# Altium PCB 小车PCB升级1.PcbDoc (part 3 of 4)
Units mm, origin at the board's own origin, x right, y up, seen from the top; angles counter-clockwise.
Board outline 300 x 206 mm, 2 copper layers (Top Layer, Bottom Layer); 354 components, 360 nets, 1479 pads, 401 vias.
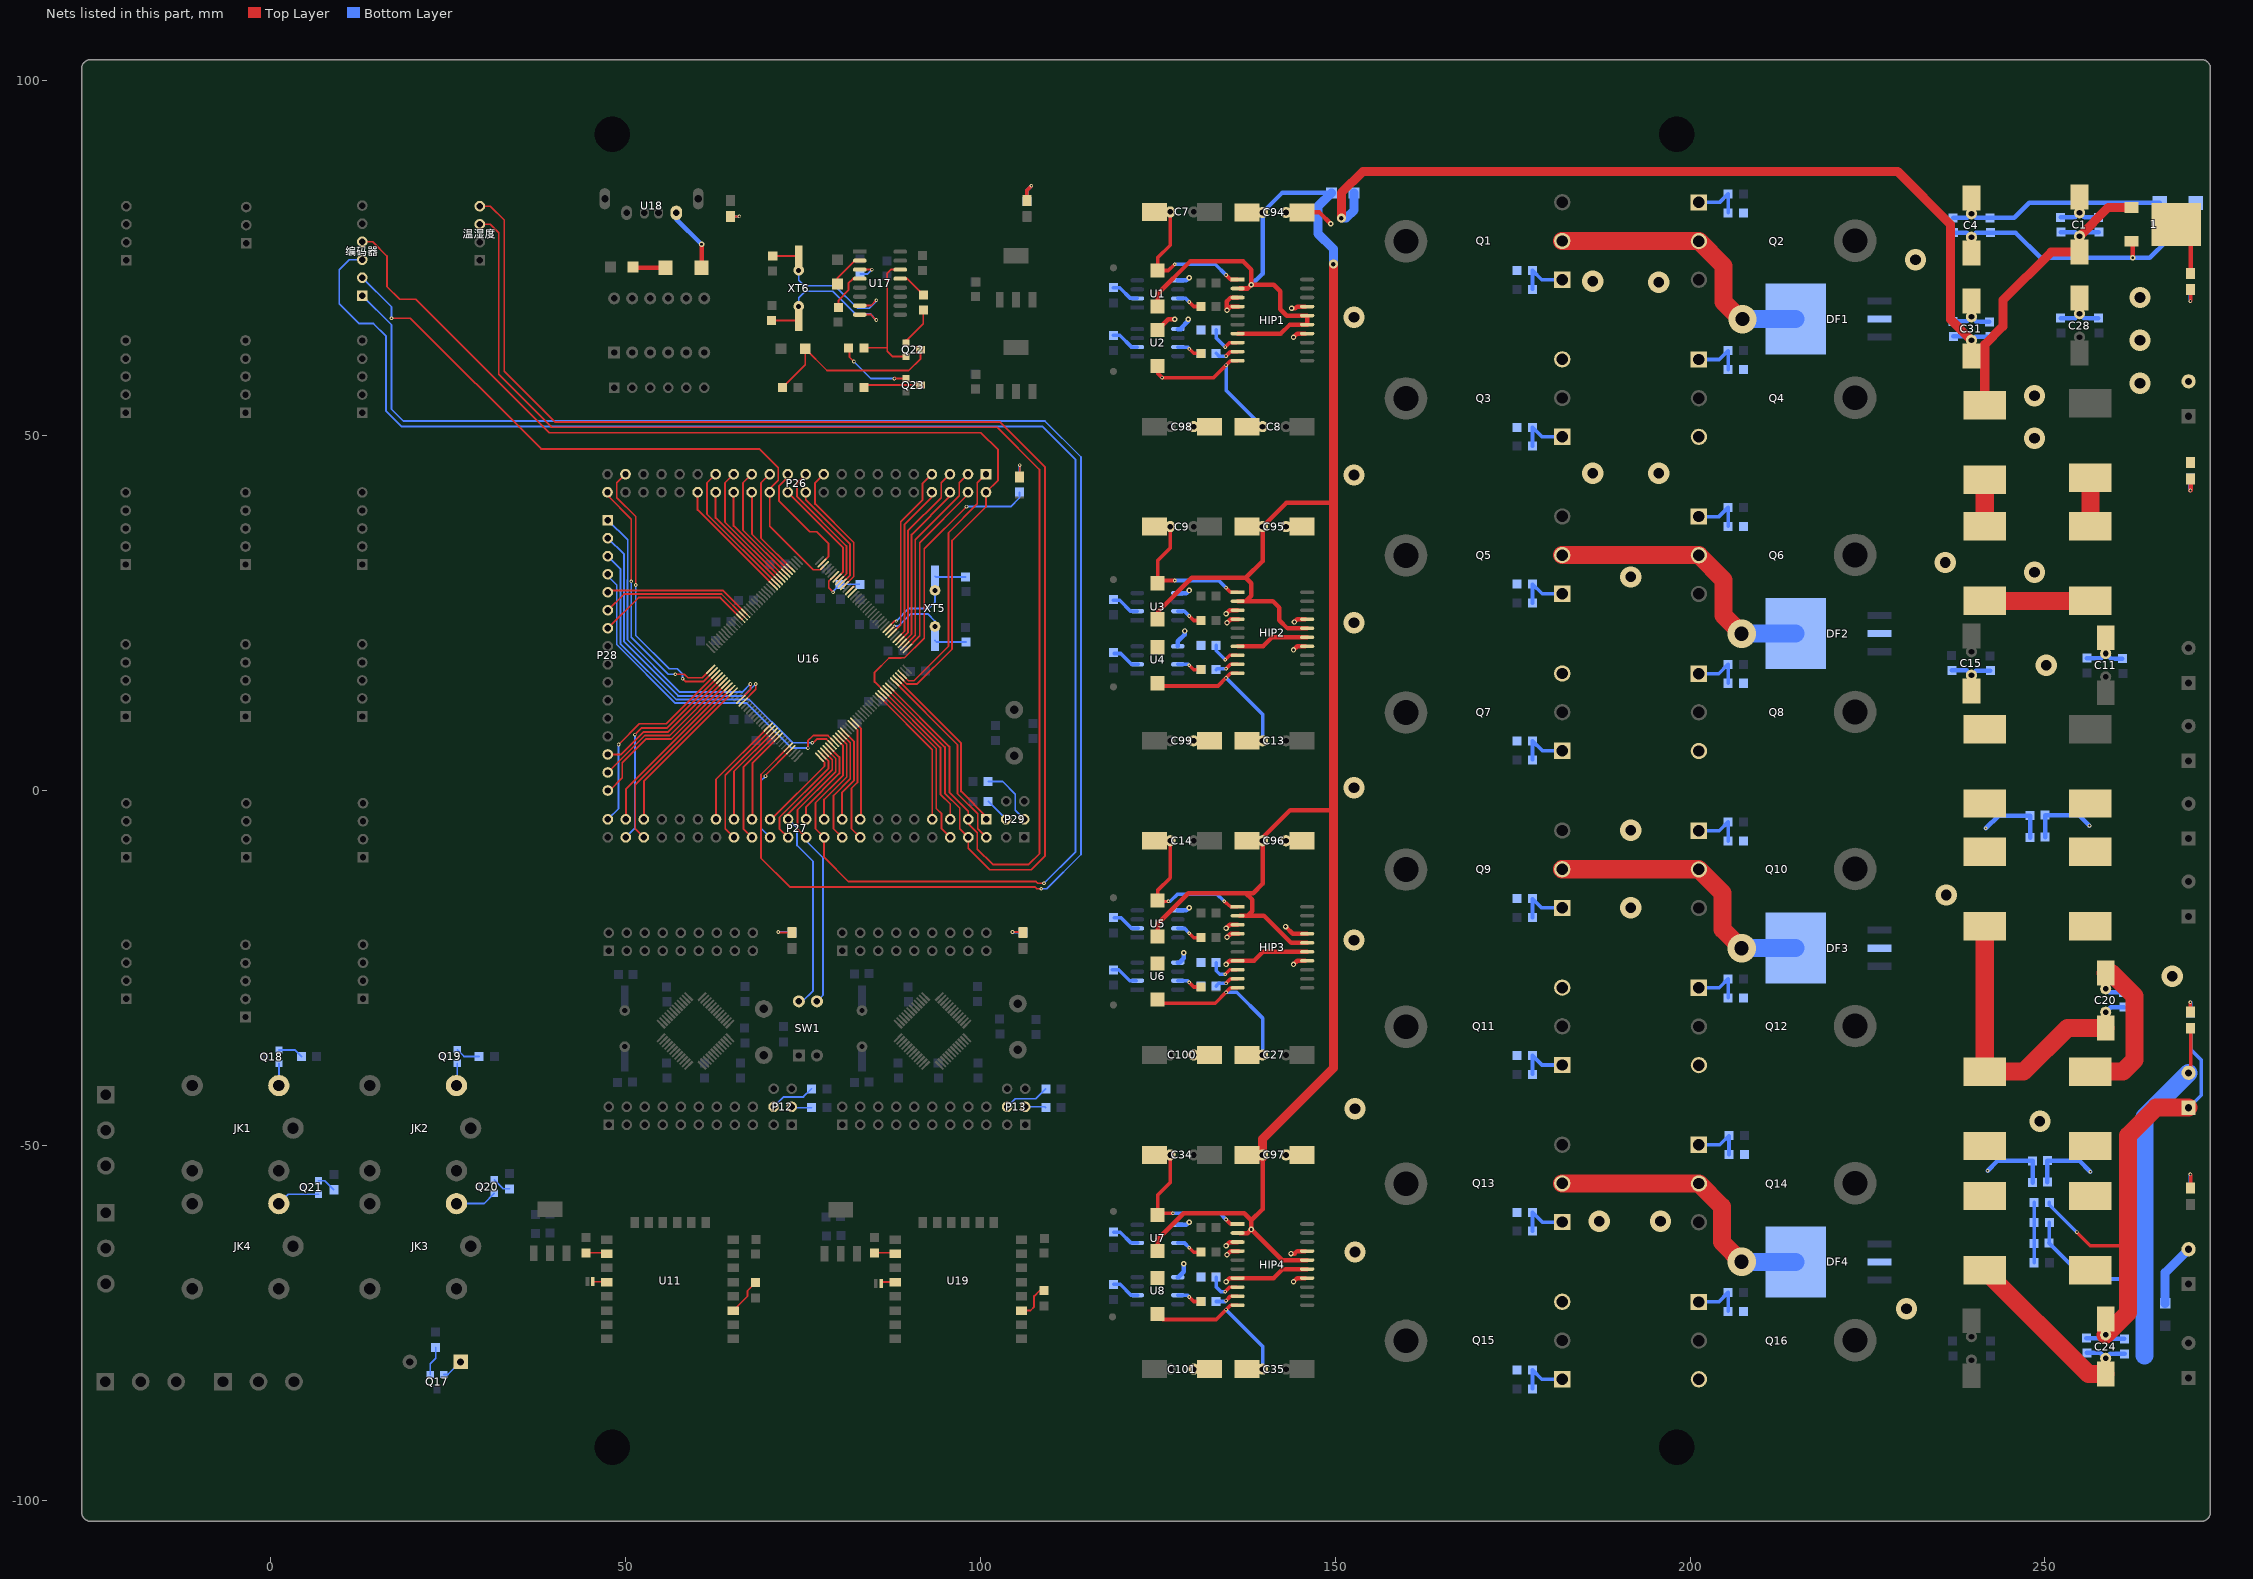
[diagram p3: the nets of this part, all layers, seen from the top]

## Via types
v1: diameter 0.508, hole 0.254, Top Layer to Bottom Layer, 231 vias
v2: diameter 0.762, hole 0.381, Top Layer to Bottom Layer, 119 vias
v3: diameter 3, hole 1.5, Top Layer to Bottom Layer, 29 vias
v4: diameter 6, hole 6, Top Layer to Bottom Layer, 8 vias
v5: diameter 4, hole 2, Top Layer to Bottom Layer, 8 vias
v6: diameter 1.27, hole 0.635, Top Layer to Bottom Layer, 2 vias
v7: diameter 0.381, hole 0.203, Top Layer to Bottom Layer, 1 vias
v8: diameter 2, hole 1, Top Layer to Bottom Layer, 1 vias
v9: diameter 0.762/0.635 (per signal layer), hole 0.381, Top Layer to Bottom Layer, 1 vias
v10: diameter 0.406, hole 0.203, Top Layer to Bottom Layer, 1 vias

## Nets (pads, with @x,y where several pads share a name; then routed paths per layer and width w, separated by ;. In a path a pad name is that pad's centre, name@x,y a point inside that pad or via, vN(x,y) a via of type N, cw(c..) or ccw(c..) an arc to the next point about the centre after c; other vN are vias at no path point) (continued)
F12V: C94.1 C95.1 C96.1 C97.1 D1.1 D3.1 D4.1 D5.1 D6.1 D7.1 D8.1 D9.1 FU2.1 HIP1.2 HIP1.7 HIP1.15 HIP1.16 HIP2.2 HIP2.7 HIP2.15 HIP2.16 HIP3.2 HIP3.7 HIP3.15 HIP3.16 HIP4.2 HIP4.7 HIP4.15 HIP4.16 | length 387.9
  Top Layer w0.635: D8.1@124.968,-64.897 124.968,-63.246 128.651,-59.563 137.16,-59.563 138.176,-60.579 ; D6.1@124.968,-20.574 124.968,-18.796 129.286,-14.478 137.414,-14.478 ; D4.1@124.968,24.13 124.968,25.146 129.794,29.972 137.414,29.972 ; D3.1@124.968,64.897 126.492,66.421 v2(127.381,66.421) ; D1.1@124.968,68.199 124.968,69.977 129.54,74.549 137.033,74.549 138.176,73.406 v2(138.176,71.247) ; v2(134.62,-69.215) 135.128,-68.707 HIP4.7@136.25,-68.707 141.351,-68.707 142.621,-67.437 HIP4.15@146.05,-67.437 ; v2(134.62,-24.511) 135.128,-24.003 HIP3.7@136.25,-24.003 138.557,-24.003 139.827,-22.733 HIP3.15@146.05,-22.733 ; HIP2.7@136.25,20.318 139.825,20.318 141.095,21.588 HIP2.15@146.05,21.588 ; HIP2.2@136.25,26.668 137.414,26.668 ; HIP1.7@136.25,64.389 142.346,64.389 143.616,65.659 HIP1.15@146.05,65.659 HIP1.16@146.05,66.929 146.025,66.904 143.154,66.904 142.24,67.818 142.24,70.358 141.351,71.247 v2(138.176,71.247) ; HIP4.2@136.546,-62.357 137.668,-62.357 v2(138.176,-61.849) ; HIP3.2@136.546,-17.653 137.668,-17.653 ; HIP1.2@136.546,70.739 137.668,70.739 v2(138.176,71.247) ; C97.1@139.763,-51.689 139.763,-58.992 138.176,-60.579 ; HIP4.16@146.05,-66.167 146.05,-66.192 142.519,-66.192 v2(138.176,-61.849) ; HIP3.16@146.05,-21.463 146.05,-21.488 143.798,-21.488 139.962,-17.653 137.668,-17.653 ; HIP2.16@146.05,22.858 146.05,22.832 143.284,22.832 142.113,24.003 142.113,25.781 141.226,26.668 137.414,26.668 ; 149.733,-2.413 149.352,-2.794 143.637,-2.794 139.763,-6.668 C96.1@139.763,-7.084 139.763,-13.145 138.43,-14.478 137.414,-14.478 ; 149.733,40.64 149.606,40.513 143.091,40.513 C95.1@139.763,37.185 139.763,32.321 137.414,29.972 ; 137.414,-14.478 138.303,-15.367 138.303,-17.018 137.668,-17.653 ; 137.414,26.668 138.176,27.43 138.176,29.21 137.414,29.972 ; v2(138.176,-61.849) 138.176,-60.579
  Top Layer w1.27: C97.1@139.763,-51.689 C97.1@139.763,-51.353 139.763,-49.086 149.733,-39.116 149.733,-2.413 149.733,40.64 v6(149.733,74.168)
  Bottom Layer w0.635: v2(138.176,71.247) 139.763,72.834 C94.1@139.763,81.453 142.511,84.201 FU2.1@149.479,84.201
  Bottom Layer w1.27: FU2.1@149.479,84.201 147.574,82.296 147.574,78.486 149.733,76.327 v6(149.733,74.168)
GND: 1.2 +12V.2 C1.1 C2.1 C3.1 C10.1 C11.1 C12.1 C15.1 C16.1 C17.1 C28.1 C29.1 C30.1 C31.1 C32.1 C33.1 C94.2 C95.2 C96.2 C97.2 C98.2 C99.2 C100.2 C101.2 D2.2 H1.2 HIP1.3 HIP1.4 HIP1.14 HIP1.17 HIP2.3 HIP2.4 HIP2.14 HIP2.17 HIP3.3 HIP3.4 HIP3.14 HIP3.17 HIP4.3 HIP4.4 HIP4.14 HIP4.17 L5.1 LED2.2 Q3.3 Q4.3 Q7.3 Q8.3 Q11.3 Q12.3 Q15.3 Q16.3 R6.1 R7.1 R8.2 R9.2 R10.2 R13.2 R26.1 R27.1 R28.2 R29.2 R30.2 R33.2 R42.1 R43.1 R44.2 R45.2 R46.2 R49.2 R58.1 R59.1 R60.2 R61.2 R62.2 R65.2 U1.5 U2.5 U3.5 U4.5 U5.5 U6.5 U7.5 U8.5 | length 89.8
  Top Layer w0.635: v2(134.62,-64.135) 135.128,-63.627 HIP4.3@136.25,-63.627 ; v2(134.62,-19.431) 135.128,-18.923 HIP3.3@136.25,-18.923 ; v2(134.62,24.89) 135.128,25.398 HIP2.3@136.25,25.398 ; v2(134.747,-65.405) 135.255,-64.897 HIP4.4@136.25,-64.897 HIP4.4@136.377,-64.897 ; v2(134.747,-20.701) 135.255,-20.193 HIP3.4@136.25,-20.193 HIP3.4@136.377,-20.193 ; v2(134.747,23.62) 135.255,24.128 HIP2.4@136.25,24.128 HIP2.4@136.377,24.128 ; HIP1.3@136.25,69.469 135.255,69.469 134.747,68.961 v2(134.747,67.691) 135.255,68.199 HIP1.4@136.25,68.199 HIP1.4@136.377,68.199 ; v2(143.002,-19.177) 144.018,-20.193 HIP3.17@146.05,-20.193 ; v2(143.765,-65.256) 144.273,-65.256 144.632,-64.897 HIP4.17@145.754,-64.897 ; v2(143.849,67.966) 144.399,67.966 144.632,68.199 HIP1.17@145.754,68.199 ; v2(144.124,-69.215) 144.632,-68.707 HIP4.14@145.754,-68.707 ; v2(144.124,-24.511) 144.632,-24.003 HIP3.14@145.754,-24.003 ; v2(144.124,19.81) 144.632,20.318 HIP2.14@145.754,20.318 ; v2(144.124,63.881) 144.632,64.389 HIP1.14@145.754,64.389 ; v2(144.253,23.749) 144.632,24.128 HIP2.17@145.754,24.128 ; C94.2@145.3,81.453 147.782,81.453 v2(149.352,79.883) ; 1.2@268.518,79.756 270.535,77.739 LED2.2@270.535,72.873
  Bottom Layer w0.635: U8.5@127.825,-68.58 127.889,-68.58 128.651,-67.818 v2(128.651,-66.675) ; U7.5@127.825,-61.214 129.032,-61.214 v2(129.413,-60.833) ; U6.5@127.825,-24.257 128.016,-24.257 128.651,-23.622 v2(128.651,-22.86) ; U5.5@127.825,-16.891 129.032,-16.891 v2(129.413,-16.51) ; U4.5@127.825,20.32 127.825,21.018 128.778,21.971 v2(128.778,22.479) ; U3.5@127.825,27.813 129.032,27.813 v2(129.413,28.194) ; U2.5@127.825,65.024 128.27,65.024 128.27,65.159 129.286,66.175 v2(129.286,66.421) ; U1.5@127.825,71.882 129.032,71.882 v2(129.413,72.263) ; C16.1@236.906,16.942 238.959,16.942 C15.1@239.649,16.252 240.288,16.891 C17.1@242.316,16.891 ; C33.1@237.058,66.091 238.989,66.091 C31.1@239.649,66.751 240.36,66.04 C32.1@242.189,66.04 ; C30.1@252.222,66.548 254.25,66.548 C28.1@254.889,67.187 255.528,66.548 C29.1@257.556,66.548 ; C2.1@252.222,80.772 254.254,80.772 C1.1@254.889,81.407 255.524,80.772 C3.1@257.556,80.772 ; C12.1@255.905,18.669 257.933,18.669 C11.1@258.572,19.308 259.287,18.593 C10.1@260.934,18.593
  other v3: 230.505,-73.025 152.781,-65.024 187.198,-60.706 195.834,-60.706 249.301,-46.609 152.781,-44.831 267.97,-26.162 152.654,-21.082 191.643,-16.51 236.093,-14.732 191.643,-5.588 152.654,0.381 250.19,17.653 152.654,23.622 191.643,30.099 248.539,30.734 235.966,32.131 152.654,44.45 186.309,44.704 195.58,44.704 248.539,49.657 248.539,55.626 263.398,57.404 263.398,63.436 152.654,66.675 263.398,69.469 195.58,71.628 186.309,71.755 231.775,74.803
HTUCL: P27.4 U16.136 温湿度.4 | length 202.4
  Top Layer w0.254: 温湿度.4@29.464,82.341 30.943,82.341 32.893,80.391 32.893,59.055 40.005,51.943 102.743,51.943 109.093,45.593 109.093,-9.271 107.188,-11.176 101.346,-11.176 98.298,-8.128 P27.4@98.298,-6.604 97.078,-5.384 97.078,-2.463 94.996,-0.381 94.996,6.11 U16.136@86.872,14.234 U16.136@86.693,14.413
HTUDA: P27.3 U16.137 温湿度.3 | length 197.5
  Top Layer w0.254: 温湿度.3@29.464,79.801 30.943,79.801 32.131,78.613 32.131,58.674 39.624,51.181 102.362,51.181 108.331,45.212 108.331,-8.89 106.807,-10.414 101.727,-10.414 99.568,-8.255 99.568,-5.969 98.298,-4.699 P27.3@98.298,-4.064 98.298,-2.921 95.631,-0.254 95.631,6.182 U16.137@87.226,14.587 U16.137@87.046,14.767
IC12V: 1.1 C1.2 C2.2 C3.2 C31.2 C32.2 C33.2 FU2.2 L11.2 | length 165.8
  Top Layer w1.27: v6(150.876,80.645) 150.876,84.201 153.924,87.249 229.235,87.249 236.728,79.756 236.728,66.37 C31.2@239.649,63.449 ; L11.2@241.529,54.291 241.529,62.84 244.094,65.405 244.094,69.088 250.876,75.87 C1.2@254.889,75.87 ; C1.2@254.889,78.105 258.947,82.163 1.1@262.204,82.163
  Bottom Layer w0.635: C33.2@237.109,64.008 239.09,64.008 C31.2@239.649,63.449 240.157,63.957 C32.2@242.24,63.957 ; C2.2@252.273,78.689 254.305,78.689 C1.2@254.889,78.105 255.473,78.689 C3.2@257.607,78.689
  Bottom Layer w1.27: v6(150.876,80.645) 151.511,80.645 152.654,81.788 FU2.2@152.654,84.201
MCU: C24.1 C25.1 C26.1 C46.1 H2.2 K12V.2 L8.2 R73.1 | length 96.3
  Top Layer w0.508: H2.2@270.256,-39.784 270.535,-39.505 K12V.2@270.535,-33.503
  Top Layer w2.54: L8.2@241.529,-67.626 256.127,-82.224 C24.1@258.572,-82.224
  Bottom Layer w0.508: R73.1@250.638,-60.875 250.638,-63.687 C46.1@250.571,-63.754 255.651,-68.834 264.033,-68.834
  Bottom Layer w0.635: C25.1@255.905,-79.248 257.806,-79.248 C24.1@258.572,-80.014 259.211,-79.375 C26.1@261.239,-79.375
  Bottom Layer w2.54: 264.033,-79.629 264.033,-68.834 264.033,-46.007 H2.2@270.256,-39.784
MCU12V: C24.2 C25.2 C26.2 H2.1 L4.2 R16.2 R71.2 | length 71.7
  Top Layer w0.508: v1(254.508,-62.23) 256.413,-64.135 261.62,-64.135 261.747,-64.262
  Top Layer w2.54: C24.2@258.572,-76.712 261.747,-73.537 261.747,-64.262 261.747,-48.641 265.684,-44.704 H2.1@270.256,-44.704
  Bottom Layer w0.508: R71.2@250.638,-58.039 250.638,-58.36 v1(254.508,-62.23) ; H2.1@270.256,-44.704 272.034,-42.926 272.034,-37.973 270.535,-36.474 R16.2@270.535,-33.528
  Bottom Layer w0.635: C25.2@255.854,-77.165 258.119,-77.165 C24.2@258.572,-76.712 259.152,-77.292 C26.2@261.188,-77.292
Net1_3: 1.3 C4.1 C5.2 C6.2 FU1.1 | length 37.8
  Top Layer w0.635: 1.3@262.209,77.419 262.382,77.246 v2(262.382,75.057)
  Bottom Layer w0.635: C5.2@237.109,78.613 239.01,78.613 C4.1@239.649,77.974 240.288,78.613 C6.2@242.316,78.613 245.872,78.613 249.428,75.057 v2(262.382,75.057) 264.795,75.057 267.208,77.47 FU1.1@267.208,79.756
Net2_2: U16.24 | length 1.1
  Top Layer w0.254: U16.24@81.389,27.99 82.169,28.769 U16.24@82.162,28.777
NetBEEP1_1: BEEP1.1 Q17.2 | length 3.1
  Bottom Layer w0.254: Q17.2@24.384,-82.296 24.968,-82.296 BEEP1.1@26.746,-80.518
NetC4_2: C4.2 C5.1 C6.1 D2.1 | length 30.5
  Bottom Layer w0.635: C5.1@237.058,80.696 239.069,80.696 C4.2@239.649,81.276 240.229,80.696 C6.1@242.265,80.696 245.669,80.696 247.777,82.804 D2.1@266.192,82.804
NetC7_1: C7.1 D1.2 HIP1.1 | length 21.5
  Top Layer w0.508: C7.1@126.746,81.534 126.746,76.835 124.968,75.057 D1.2@124.968,73.279 126.492,73.279 v1(127.381,74.168) ; v1(134.62,72.644) 135.255,72.009 HIP1.1@136.25,72.009
  Bottom Layer w0.508: v1(127.381,74.168) 133.096,74.168 v1(134.62,72.644)
NetC8_1: C8.1 D3.2 HIP1.10 | length 24.3
  Top Layer w0.508: D3.2@124.968,59.817 124.968,58.822 v1(125.603,58.187) 132.863,58.187 v1(134.62,59.944) 135.255,60.579 HIP1.10@136.25,60.579
  Bottom Layer w0.508: v1(134.62,59.944) 134.62,56.415 C8.1@139.763,51.272
NetC9_1: C9.1 D4.2 HIP2.1 | length 20.8
  Top Layer w0.508: C9.1@126.746,37.185 126.746,34.163 124.968,32.385 D4.2@124.968,29.21 125.349,29.591 v1(127.381,29.591) ; v1(134.62,28.573) 135.255,27.938 HIP2.1@136.25,27.938
  Bottom Layer w0.508: v1(127.381,29.591) 133.602,29.591 v1(134.62,28.573)
NetC13_1: C13.1 D5.2 HIP2.10 | length 23.2
  Top Layer w0.508: D5.2@124.968,15.113 125.349,14.732 133.477,14.732 134.618,15.873 v1(134.62,15.873) 135.255,16.508 HIP2.10@136.25,16.508
  Bottom Layer w0.508: v1(134.62,15.873) 139.763,10.73 C13.1@139.763,7.003
NetC14_1: C14.1 D6.2 HIP3.1 | length 21.7
  Top Layer w0.508: v1(126.492,-15.621) 125.222,-15.748 D6.2@124.968,-15.494 124.968,-14.097 126.746,-12.319 C14.1@126.746,-7.084 ; v1(134.366,-15.621) 135.255,-16.383 HIP3.1@136.25,-16.383
  Bottom Layer w0.508: v1(126.492,-15.621) 126.746,-15.621 127.762,-14.605 133.35,-14.605 v1(134.366,-15.621)
NetC18_1: C18.1 C19.1 L5.2 L6.1 | length 10.1
  Bottom Layer w0.635: v1(241.681,-5.334) 243.479,-3.536 C18.1@247.939,-3.536 C19.1@247.939,-6.635
NetC18_2: C18.2 C19.2 L1.2 L2.1 | length 10
  Bottom Layer w0.635: C19.2@250.021,-6.584 C18.2@250.021,-3.485 254.818,-3.485 v1(256.286,-4.953)
NetC20_1: C20.1 C21.1 L6.2 L7.1 | length 43
  Top Layer w2.54: L6.2@241.529,-19.112 241.529,-39.618 247.021,-39.618 253.187,-33.452 C20.1@258.572,-33.452
  Bottom Layer w0.635: C20.1@258.572,-31.242 259.283,-30.531 C21.1@261.163,-30.531
NetC20_2: C20.2 C21.2 L2.2 L3.1 | length 24.1
  Top Layer w2.54: L3.1@256.419,-39.624 260.985,-39.624 262.636,-37.973 262.636,-28.956 259.385,-25.705 C20.2@258.572,-25.705
  Bottom Layer w0.635: C20.2@258.572,-27.94 259.08,-28.448 C21.2@261.112,-28.448
NetC22_1: C22.1 C23.1 L7.2 L8.1 | length 10
  Bottom Layer w0.635: v1(241.935,-53.594) 243.332,-52.197 C23.1@248.285,-52.197 C22.1@248.285,-55.245
NetC22_2: C22.2 C23.2 L3.2 L4.1 | length 9.7
  Bottom Layer w0.635: C22.2@250.368,-55.194 C23.2@250.368,-52.146 254.838,-52.146 v1(256.413,-53.721)
NetC27_1: C27.1 D7.2 HIP3.10 | length 24.2
  Top Layer w0.508: D7.2@124.968,-29.464 125.476,-29.972 133.096,-29.972 v1(134.62,-28.448) 135.255,-27.813 HIP3.10@136.25,-27.813
  Bottom Layer w0.508: v1(134.62,-28.448) 136.144,-28.448 139.763,-32.067 C27.1@139.763,-37.265
NetC34_1: C34.1 D8.2 HIP4.1 | length 21.2
  Top Layer w0.508: C34.1@126.746,-51.353 126.746,-55.245 124.968,-57.023 D8.2@124.968,-59.817 125.222,-59.563 v1(127.127,-59.563) ; v1(134.62,-60.452) 135.255,-61.087 HIP4.1@136.25,-61.087
  Bottom Layer w0.508: v1(127.127,-59.563) 133.731,-59.563 v1(134.62,-60.452)
NetC35_1: C35.1 D9.2 HIP4.10 | length 23
  Top Layer w0.508: D9.2@124.968,-73.787 125.73,-74.549 133.223,-74.549 v1(134.62,-73.152) 135.255,-72.517 HIP4.10@136.25,-72.517
  Bottom Layer w0.508: v1(134.62,-73.152) 139.763,-78.295 C35.1@139.763,-81.534
NetC46_2: C46.2 R71.1 R72.1 R73.2 | length 8.5
  Bottom Layer w0.508: R72.1@248.479,-66.548 R73.2@248.479,-60.875 R71.1@248.479,-58.039
NetC71_1: C71.1 U17.4 | length 5.9
  Top Layer w0.254: C71.1@80.01,68.072 80.01,69.088 81.407,70.485 81.407,71.488 82.055,72.136 U17.4@82.995,72.136
NetC75_2: C75.2 U17.7 XT6.1 | length 20.9
  Top Layer w0.254: C75.2@70.739,75.311 XT6.1@74.371,75.311 ; U17.7@82.995,68.326 84.582,68.326 v1(85.344,69.088)
  Top Layer w0.508: XT6.1@74.371,75.311 XT6.1@74.397,75.286
  Bottom Layer w0.254: XT6.1@74.397,73.304 74.397,71.907 75.184,71.12 79.502,71.12 82.677,67.945 84.328,67.945 85.344,68.961 v1(85.344,69.088)
NetC76_2: C76.2 U17.8 XT6.2 | length 20.7
  Top Layer w0.254: C76.2@70.561,66.243 XT6.2@74.371,66.243 ; U17.8@82.995,67.056 84.582,67.056 v1(85.344,66.294)
  Top Layer w0.508: XT6.2@74.371,66.243 XT6.2@74.397,66.218
  Bottom Layer w0.254: XT6.2@74.397,68.224 74.397,69.444 75.311,70.358 79.186,70.358 82.361,67.183 84.455,67.183 v1(85.344,66.294)
NetC77_2: U16.23
NetC78_1: C78.1 C79.1 U16.30 | length 7.2
  Top Layer w0.203: v1(79.248,27.94) 78.613,28.575 78.613,29.456 U16.30@79.448,30.291
  Bottom Layer w0.203: v1(79.248,27.94) 79.248,28.05 C78.1@80.23,29.032 C79.1@83.016,29.032
NetD10_2: D10.2 U17.2 | length 5
  Top Layer w0.254: D10.2@79.883,71.374 79.883,72.263 82.296,74.676 U17.2@82.995,74.676
NetD11_2: D11.2 Q22.1 R92.1 | length 26.2
  Top Layer w0.254: R92.1@72.136,56.821 75.311,59.996 D11.2@75.311,62.255 78.384,59.182 89.916,59.182 91.567,60.833 Q22.1@91.567,62.103
NetD12_1: D12.1 U18.1 | length 9.2
  Top Layer w0.635: D12.1@60.706,73.66 v2(60.706,76.962)
  Bottom Layer w0.635: U18.1@57.15,81.407 57.15,80.518 v2(60.706,76.962)
NetD12_2: D12.2 FU4.2 | length 4.6
  Top Layer w0.635: FU4.2@51.054,73.768 51.162,73.66 D12.2@55.626,73.66
NetDF1_2: DF1.2 Q1.2 Q2.2 | length 39.7
  Top Layer w2.54: Q1.2@181.991,77.44 201.223,77.44 Q2.2@201.244,77.419 204.724,73.939 204.724,68.834 207.137,66.421 v5(207.391,66.421)
  Bottom Layer w2.54: v5@208.153,66.421 DF1.2@214.884,66.421
NetDF2_1: 
NetDF2_2: DF2.2 Q5.2 Q6.2 | length 39.8
  Top Layer w2.54: Q5.2@181.991,33.171 201.223,33.171 Q6.2@201.244,33.151 204.724,29.671 204.724,24.638 v5(207.264,22.098)
  Bottom Layer w2.54: v5@207.899,22.098 DF2.2@214.884,22.098
NetDF3_2: DF3.2 Q9.2 Q10.2 | length 39.3
  Top Layer w2.54: Q9.2@181.991,-11.097 201.223,-11.097 Q10.2@201.244,-11.118 204.597,-14.471 204.597,-19.558 v5(207.264,-22.225)
  Bottom Layer w2.54: v5@208.407,-22.225 DF3.2@214.884,-22.225
NetDF4_2: DF4.2 Q13.2 Q14.2 | length 40.4
  Top Layer w2.54: Q13.2@181.991,-55.366 201.223,-55.366 Q14.2@201.244,-55.387 204.47,-58.612 204.47,-63.627 v5(207.264,-66.421)
  Bottom Layer w2.54: v5(207.264,-66.421) DF4.2@214.884,-66.421
NetFU3_1: FU3.1 H9.2 | length 9
  Bottom Layer w1.27: FU3.1@266.954,-72.263 266.954,-67.945 H9.2@270.256,-64.643
NetH7_2: H7.2 U11.18 | length 1.8
  Top Layer w0.254: H7.2@45.593,-69.215 U11.18@47.307,-69.215
  Top Layer w0.635: U11.18@47.307,-69.215 U11.18@47.371,-69.279
NetH11_2: H11.2 U19.18 | length 2
  Top Layer w0.254: H11.2@86.031,-69.469 86.221,-69.279 U19.18@87.991,-69.279
NetHIP1_8: HIP1.8 R8.1 | length 4.8
  Top Layer w0.508: v1(134.493,62.484) 135.128,63.119 HIP1.8@136.123,63.119
  Bottom Layer w0.508: R8.1@133.223,64.897 133.223,63.754 v1(134.493,62.484)
NetHIP1_9: HIP1.9 R13.1 | length 3.4
  Top Layer w0.508: v1(134.62,61.214) 135.255,61.849 HIP1.9@136.25,61.849
  Bottom Layer w0.508: R13.1@133.223,61.595 133.604,61.214 v1(134.62,61.214)
NetHIP2_8: HIP2.8 R28.1 | length 4.5
  Top Layer w0.508: v1(134.493,18.413) 135.128,19.048 HIP2.8@136.123,19.048
  Bottom Layer w0.508: R28.1@133.223,20.447 133.223,19.683 v1(134.493,18.413)
NetHIP2_9: HIP2.9 R33.1 | length 3.3
  Top Layer w0.508: v1(134.62,17.143) 135.255,17.778 HIP2.9@136.25,17.778
  Bottom Layer w0.508: R33.1@133.223,17.018 133.348,17.143 v1(134.62,17.143)
NetHIP3_8: HIP3.8 R44.1 | length 4.5
  Top Layer w0.508: v1(134.493,-25.908) 135.128,-25.273 HIP3.8@136.123,-25.273
  Bottom Layer w0.508: R44.1@133.223,-24.257 133.223,-25.4 133.731,-25.908 v1(134.493,-25.908)
NetHIP3_9: HIP3.9 R49.1 | length 3.4
  Top Layer w0.508: v1(134.62,-27.178) 135.255,-26.543 HIP3.9@136.25,-26.543
  Bottom Layer w0.508: R49.1@133.223,-27.559 133.604,-27.178 v1(134.62,-27.178)
NetHIP4_8: HIP4.8 R60.1 | length 4.8
  Top Layer w0.508: v1(134.493,-70.612) 135.128,-69.977 HIP4.8@136.123,-69.977
  Bottom Layer w0.508: R60.1@133.223,-68.58 133.223,-69.977 133.858,-70.612 v1(134.493,-70.612)
NetHIP4_9: HIP4.9 R65.1 | length 3.3
  Top Layer w0.508: v1(134.62,-71.882) 135.255,-71.247 HIP4.9@136.25,-71.247
  Bottom Layer w0.508: R65.1@133.223,-72.009 134.493,-72.009 v1(134.62,-71.882)
NetJK1_2: JK1.2 Q18.2 | length 3.1
  Bottom Layer w0.254: JK1.2@1.143,-41.581 Q18.2@1.143,-38.481
NetJK2_2: JK2.2 Q19.2 | length 3.2
  Bottom Layer w0.254: JK2.2@26.17,-41.581 26.289,-41.462 Q19.2@26.289,-38.43
NetJK3_2: JK3.2 Q20.2 | length 5.9
  Bottom Layer w0.254: JK3.2@26.17,-58.218 30.047,-58.218 Q20.2@31.496,-56.769
NetJK4_2: JK4.2 Q21.2 | length 6.1
  Bottom Layer w0.254: JK4.2@1.143,-58.218 2.465,-56.896 Q21.2@6.731,-56.896
NetL9_2: L9.2 L10.1 | length 6.9
  Top Layer w2.54: L9.2@256.413,44.069 256.413,37.217 L10.1@256.419,37.211
NetL10_2: L10.2 L12.1 | length 14.9
  Top Layer w2.54: L12.1@241.523,26.735 L10.2@256.413,26.735
NetL11_1: L11.1 L12.2 | length 6.6
  Top Layer w2.54: L11.1@241.523,43.815 241.529,43.809 L12.2@241.529,37.211
NetLED1_1: +12V.1 R14.1 | length 3.4
  Top Layer w0.635: v1(270.51,42.291) 270.535,42.316 +12V.1@270.535,43.917
  Bottom Layer w0.635: v1(270.51,42.291) 270.51,44.018 R14.1@270.535,44.044
NetLED2_1: LED2.1 R15.1 | length 3.4
  Top Layer w0.508: v1(270.51,68.961) 270.535,68.986 LED2.1@270.535,70.587
  Bottom Layer w0.508: v1(270.51,68.961) 270.51,70.714 R15.1@270.535,70.739
NetLED3_1: K12V.1 R16.1 | length 2.9
  Top Layer w0.508: v1(270.51,-29.845) 270.51,-31.191 K12V.1@270.535,-31.217
  Bottom Layer w0.508: v1(270.51,-29.845) 270.535,-29.87 R16.1@270.535,-31.369
NetLED5_2: LED5.2 R69.1 | length 4
  Top Layer w0.254: v1(71.501,-19.939) 71.553,-19.991 LED5.2@73.481,-19.991
  Bottom Layer w0.254: v1(71.501,-19.939) 73.428,-19.939 R69.1@73.481,-19.991
NetLED6_2: LED6.2 R70.1 | length 3
  Top Layer w0.254: v1(104.521,-19.939) 105.962,-19.939 LED6.2@106.015,-19.991
  Bottom Layer w0.254: v1(104.521,-19.939) 104.573,-19.991 R70.1@106.015,-19.991
NetLED7_2: +3V.2 R83.2 | length 4.8
  Top Layer w0.508: +3V.2@106.553,83.16 106.553,84.582 v1(107.188,85.217)
  Bottom Layer w0.508: R83.2@106.553,83.033 106.553,84.582 v1(107.188,85.217)
NetLED8_2: K5V.2 R84.2 | length 3.9
  Top Layer w0.508: v1(270.51,-54.102) 270.535,-54.127 K5V.2@270.535,-56.032
  Bottom Layer w0.508: v1(270.51,-54.102) 270.51,-55.982 R84.2@270.535,-56.007
NetLED10_2: LED10.2 R90.1 | length 3.3
  Top Layer w0.254: LED10.2@105.507,44.196 105.537,44.226 v1(105.537,45.847)
  Bottom Layer w0.254: R90.1@105.507,44.196 105.507,45.817 v1(105.537,45.847)
NetLED11_1: LED11.1 R91.1 | length 2.5
  Top Layer w0.254: LED11.1@64.795,80.874 64.821,80.899 v1(66.04,80.899)
  Bottom Layer w0.254: R91.1@64.77,80.874 66.015,80.874 v1(66.04,80.899)
NetP12_3: P12.3 R76.1 | length 2.8
  Bottom Layer w0.254: P12.3@73.406,-44.577 73.533,-44.704 R76.1@76.2,-44.704
NetP12_4: P12.4 R77.2 | length 6.4
  Bottom Layer w0.254: P12.4@70.866,-44.577 72.263,-43.18 75.057,-43.18 R77.2@76.2,-42.037
NetP13_3: P13.3 R78.1 | length 3
  Bottom Layer w0.254: P13.3@106.299,-44.577 109.093,-44.577 R78.1@109.22,-44.704
NetP13_4: P13.4 R79.2 | length 6.5
  Bottom Layer w0.254: P13.4@103.759,-44.577 104.902,-43.434 107.823,-43.434 R79.2@109.22,-42.037
NetP29_3: P29.3 R102.1 | length 8.6
  Bottom Layer w0.254: R102.1@101.092,1.27 103.124,1.27 104.902,-0.508 104.902,-2.794 P29.3@106.172,-4.064
NetP29_4: P29.4 R103.2 | length 3.6
  Bottom Layer w0.254: R103.2@101.092,-1.524 P29.4@103.632,-4.064
NetQ1_1: Q1.1 R4.2 R6.2 | length 7.4
  Bottom Layer w0.508: R4.2@177.8,70.612 R6.2@177.8,73.279 179.089,71.99 Q1.1@181.991,71.99
NetQ2_1: Q2.1 R5.1 R7.2 | length 7.3
  Bottom Layer w0.508: Q2.1@201.244,82.869 204.154,82.869 R5.1@205.359,84.074 R7.2@205.359,81.407
NetQ3_1: Q3.1 R9.1 R11.1 | length 7.4
  Bottom Layer w0.508: R11.1@177.8,48.514 R9.1@177.8,51.181 179.125,49.856 Q3.1@181.991,49.856
NetQ4_1: Q4.1 R10.1 R12.1 | length 7.3
  Bottom Layer w0.508: Q4.1@201.244,60.735 204.118,60.735 R12.1@205.359,61.976 R10.1@205.359,59.309
NetQ5_1: Q5.1 R24.2 R26.2 | length 7.4
  Bottom Layer w0.508: R24.2@177.8,26.416 R26.2@177.8,29.083 179.162,27.721 Q5.1@181.991,27.721
NetQ6_1: Q6.1 R25.1 R27.2 | length 7.3
  Bottom Layer w0.508: Q6.1@201.244,38.601 204.082,38.601 R25.1@205.359,39.878 R27.2@205.359,37.211
NetQ7_1: Q7.1 R29.1 R31.1 | length 7.4
  Bottom Layer w0.508: R31.1@177.8,4.318 R29.1@177.8,6.985 179.198,5.587 Q7.1@181.991,5.587
NetQ8_1: Q8.1 R30.1 R32.1 | length 7.3
  Bottom Layer w0.508: Q8.1@201.244,16.466 204.045,16.466 R32.1@205.359,17.78 R30.1@205.359,15.113
NetQ9_1: Q9.1 R40.2 R42.2 | length 7.4
  Bottom Layer w0.508: R40.2@177.8,-17.907 R42.2@177.8,-15.24 179.107,-16.547 Q9.1@181.991,-16.547
NetQ10_1: Q10.1 R41.1 R43.2 | length 7.3
  Bottom Layer w0.508: Q10.1@201.244,-5.668 204.136,-5.668 R41.1@205.359,-4.445 R43.2@205.359,-7.112
NetQ11_1: Q11.1 R45.1 R47.1 | length 7.4
  Bottom Layer w0.508: R47.1@177.8,-40.005 R45.1@177.8,-37.338 179.143,-38.681 Q11.1@181.991,-38.681
NetQ12_1: Q12.1 R46.1 R48.1 | length 7.3
  Bottom Layer w0.508: Q12.1@201.244,-27.802 204.1,-27.802 R48.1@205.359,-26.543 R46.1@205.359,-29.21
NetQ13_1: Q13.1 R56.2 R58.2 | length 7.4
  Bottom Layer w0.508: R56.2@177.8,-62.103 R58.2@177.8,-59.436 179.18,-60.816 Q13.1@181.991,-60.816
NetQ14_1: Q14.1 R57.1 R59.2 | length 7.4
  Bottom Layer w0.508: Q14.1@201.244,-49.937 204.19,-49.937 R57.1@205.486,-48.641 R59.2@205.486,-51.308
NetQ15_1: Q15.1 R61.1 R63.1 | length 7.4
  Bottom Layer w0.508: R63.1@177.8,-84.328 R61.1@177.8,-81.661 179.089,-82.95 Q15.1@181.991,-82.95
NetQ16_1: Q16.1 R62.1 R64.1 | length 7.3
  Bottom Layer w0.508: Q16.1@201.244,-72.071 204.027,-72.071 R64.1@205.359,-70.739 R62.1@205.359,-73.406
NetQ17_3: Q17.3 R82.2 | length 4.1
  Bottom Layer w0.254: Q17.3@22.479,-82.296 22.479,-80.772 23.241,-80.01 R82.2@23.241,-78.486
NetQ18_3: Q18.3 R85.2 | length 3.5
  Bottom Layer w0.254: Q18.3@1.143,-36.576 3.429,-36.576 R85.2@4.318,-37.465
NetQ19_3: Q19.3 R86.2 | length 3.4
  Bottom Layer w0.254: Q19.3@26.289,-36.525 27.229,-37.465 R86.2@29.337,-37.465
NetQ20_3: Q20.3 R87.2 | length 2.7
  Bottom Layer w0.254: Q20.3@31.496,-54.864 32.766,-56.134 R87.2@33.655,-56.134
NetQ21_3: Q21.3 R88.2 | length 2.7
  Bottom Layer w0.254: Q21.3@6.731,-54.991 7.62,-54.991 R88.2@8.89,-56.261
NetQ22_2: Q22.2 R95.2 U17.14 | length 19.3
  Top Layer w0.254: R95.2@83.566,62.382 86.843,62.382 ; U17.14@88.71,73.406 87.376,73.406 86.868,72.898 86.868,61.9 87.63,61.138 Q22.2@89.535,61.138
NetQ22_3: Q22.3 R94.2 | length 5.6
  Top Layer w0.254: Q22.3@89.535,63.373 91.948,65.786 R94.2@91.948,67.691
  Top Layer w0.508: Q22.3@89.535,63.043 Q22.3@89.535,63.373
NetQ23_1: Q23.1 R96.2 | length 8.1
  Top Layer w0.254: R96.2@83.871,57.126 Q23.1@91.567,57.126
  Top Layer w0.508: R96.2@83.566,56.821 R96.2@83.871,57.126
NetQ23_3: Q23.3 R95.1 | length 10.6
  Top Layer w0.254: R95.1@81.534,62.255 81.534,61.087 v1(82.169,60.452) ; v1@87.911,58.066 Q23.3@89.535,58.066
  Top Layer w0.508: R95.1@81.407,62.382 R95.1@81.534,62.255 ; v1(87.884,58.039) v1@87.911,58.066
  Bottom Layer w0.254: v1(82.169,60.452) 84.582,58.039 v1(87.884,58.039)
NetR1_2: R1.2 U1.2 | length 4
  Bottom Layer w0.508: R1.2@118.745,70.866 119.634,70.866 121.158,69.342 U1.2@122.111,69.342
NetR2_2: R2.2 U1.7 | length 3.7
  Top Layer w0.508: v1(129.434,68.832) 130.069,68.197 R2.2@131.064,68.197
  Bottom Layer w0.508: U1.7@127.825,69.342 128.924,69.342 v1(129.434,68.832)
NetR18_2: R18.2 U2.2 | length 4
  Bottom Layer w0.508: R18.2@118.745,64.135 119.634,64.135 121.285,62.484 U2.2@122.111,62.484
NetR19_2: R19.2 U2.7 | length 3.6
  Top Layer w0.508: v1(129.434,62.23) 130.069,61.595 R19.2@131.064,61.595
  Bottom Layer w0.508: U2.7@127.825,62.484 129.18,62.484 v1(129.434,62.23)
NetR21_2: R21.2 U3.2 | length 4
  Bottom Layer w0.508: R21.2@118.745,26.797 119.634,26.797 121.158,25.273 U3.2@122.111,25.273
NetR22_2: R22.2 U3.7 | length 3.8
  Top Layer w0.508: v1(129.434,24.594) 130.069,23.959 R22.2@131.064,23.959
  Bottom Layer w0.508: U3.7@127.825,25.273 128.755,25.273 v1(129.434,24.594)
NetR34_2: R34.2 U4.2 | length 4
  Bottom Layer w0.508: R34.2@118.872,19.304 119.761,19.304 121.285,17.78 U4.2@122.111,17.78 U4.2@122.237,17.78
NetR35_2: R35.2 U4.7 | length 3.6
  Top Layer w0.508: v1(129.434,17.653) 130.069,17.018 R35.2@131.064,17.018
  Bottom Layer w0.508: U4.7@127.825,17.78 129.307,17.78 v1(129.434,17.653)
NetR37_2: R37.2 U5.2 | length 4
  Bottom Layer w0.508: R37.2@118.872,-17.907 119.761,-17.907 121.285,-19.431 U5.2@122.111,-19.431 U5.2@122.237,-19.431
NetR38_2: R38.2 U5.7 | length 3.8
  Top Layer w0.508: v1(129.434,-20.109) 130.069,-20.744 R38.2@131.064,-20.744
  Bottom Layer w0.508: U5.7@127.825,-19.431 128.756,-19.431 v1(129.434,-20.109)
NetR50_2: R50.2 U6.2 | length 4
  Bottom Layer w0.508: R50.2@118.618,-25.273 R50.2@118.745,-25.273 119.507,-25.273 121.031,-26.797 U6.2@121.983,-26.797
NetR51_2: R51.2 U6.7 | length 3.6
  Top Layer w0.508: v1(129.434,-27.049) 130.069,-27.684 R51.2@131.064,-27.684
  Bottom Layer w0.508: U6.7@127.825,-26.797 129.182,-26.797 v1(129.434,-27.049)
NetR53_2: R53.2 U7.2 | length 4
  Bottom Layer w0.508: R53.2@118.808,-62.23 119.697,-62.23 121.221,-63.754 U7.2@122.111,-63.754 U7.2@122.174,-63.754
NetR54_2: R54.2 U7.7 | length 3.8
  Top Layer w0.508: v1(129.434,-64.432) 130.069,-65.067 R54.2@131.064,-65.067
  Bottom Layer w0.508: U7.7@127.825,-63.754 128.756,-63.754 v1(129.434,-64.432)
NetR66_2: R66.2 U8.2 | length 4
  Bottom Layer w0.508: R66.2@118.808,-69.596 119.697,-69.596 121.221,-71.12 U8.2@122.111,-71.12 U8.2@122.174,-71.12
NetR67_2: R67.2 U8.7 | length 3.6
  Top Layer w0.508: v1(129.434,-71.372) 130.069,-72.007 R67.2@131.064,-72.007
  Bottom Layer w0.508: U8.7@127.825,-71.12 129.182,-71.12 v1(129.434,-71.372)
NetR80_2: R80.2 U11.3 | length 5.2
  Top Layer w0.254: U11.3@65.171,-73.279 67.183,-71.267 67.183,-70.485 R80.2@68.326,-69.342
NetR81_2: R81.2 U11.16 | length 3
  Top Layer w0.254: R81.2@44.45,-65.151 47.243,-65.151 U11.16@47.371,-65.279
NetR93_2: R93.2 U17.3 | length 3.6
  Top Layer w0.254: U17.3@82.995,73.406 v1(84.709,73.406)
  Bottom Layer w0.254: R93.2@83.058,72.762 84.065,72.762 v1(84.709,73.406)
NetR94_1: R94.1 U17.13 | length 4.2
  Top Layer w0.254: U17.13@88.71,72.136 89.662,72.136 R94.1@91.948,69.85
NetR99_2: R99.2 U19.3 | length 5.2
  Top Layer w0.254: U19.3@105.791,-73.279 107.061,-73.279 107.569,-72.771 107.569,-71.247 108.331,-70.485 R99.2@108.966,-70.485
NetR100_2: R100.2 U19.16 | length 3
  Top Layer w0.254: R100.2@85.09,-65.151 U19.16@87.863,-65.151
  Top Layer w0.635: U19.16@87.863,-65.151 U19.16@87.991,-65.279
PA0: P26.26 U16.34 编码器.2 | length 89.6
  Top Layer w0.254: v1(17.018,66.548) 19.685,66.548 38.1,48.133 68.834,48.133 71.501,45.466 71.501,43.732 70.308,42.54 P26.26@70.308,42.037 70.308,37.261 76.456,31.113 77.442,31.113 U16.34@77.854,31.525
  Bottom Layer w0.254: 编码器.2@12.896,72.263 17.018,68.141 v1(17.018,66.548)
PA1: P26.23 U16.35 | length 17.2
  Top Layer w0.254: P26.23@72.848,44.577 72.848,44.146 71.628,42.926 71.628,40.767 75.946,36.449 76.962,36.449 78.613,34.798 78.613,32.992 U16.35@77.5,31.879
PA4: P26.25 U16.40 | length 15.7
  Top Layer w0.254: P26.25@70.308,44.577 69.088,43.357 69.088,35.542 73.459,31.172 U16.40@73.47,31.172
PA5: P26.28 U16.41 | length 13.7
  Top Layer w0.254: P26.28@67.818,42.291 67.818,36.117 U16.41@73.116,30.818
PA6: P26.27 U16.42 | length 17.2
  Top Layer w0.254: P26.27@67.768,44.577 66.548,43.357 66.548,36.68 U16.42@72.763,30.465
PA7: P26.30 U16.43 | length 14.7
  Top Layer w0.254: P26.30@65.228,42.037 65.228,37.292 U16.43@72.23,30.291 U16.43@72.277,30.244
PA8: P27.27 U16.100 | length 13.6
  Top Layer w0.254: P27.27@67.868,-4.318 67.868,3.861 U16.100@71.702,7.696
PA12: U16.104 编码器.1 | length 240
  Top Layer w0.254: U16.104@73.116,6.282 69.088,2.253 69.088,-9.525 73.152,-13.589 107.696,-13.589 107.95,-13.843 v1(108.585,-13.843)
  Bottom Layer w0.254: 编码器.1@12.896,69.723 17.018,65.601 17.018,53.721 18.669,52.07 109.093,52.07 114.173,46.99 114.173,-9.017 109.347,-13.843 v1(108.585,-13.843)
PA13: P27.26 U16.105 | length 14.8
  Top Layer w0.254: v1(69.723,2.032) 69.574,2.032 U16.105@73.29,5.749
  Bottom Layer w0.254: v1(69.723,2.032) 69.088,1.397 69.088,-5.334 P27.26@70.358,-6.604
PA14: P27.25 U16.109 | length 12.3
  Top Layer w0.254: P27.25@70.358,-4.064 70.54,-4.064 78.034,3.43 78.034,3.981 U16.109@77.326,4.688
PA15: P27.24 U16.110 | length 15.7
  Top Layer w0.254: P27.24@72.898,-6.604 71.678,-5.384 71.678,-3.81 78.613,3.125 78.613,4.108 U16.110@77.5,5.221
PB0: P26.31 U16.46 | length 20.1
  Top Layer w0.254: P26.31@62.688,44.577 61.468,43.357 61.468,38.931 U16.46@71.349,29.051
PB1: P26.34 U16.47 | length 17.8
  Top Layer w0.254: P26.34@60.148,42.037 60.148,39.544 U16.47@70.995,28.697
PB3: P27.7 U16.133 | length 20.6
  Top Layer w0.254: U16.133@85.632,13.353 U16.133@85.812,13.173 93.218,5.767 P27.7@93.218,-4.064
PB4: P27.6 U16.134 | length 24.4
  Top Layer w0.254: U16.134@85.986,13.706 U16.134@86.165,13.527 93.776,5.916 93.776,-2.54 94.538,-3.302 94.538,-5.384 P27.6@95.758,-6.604
PB5: P27.5 R90.2 U16.135 | length 63.9
  Top Layer w0.254: P27.5@95.758,-4.064 95.758,-1.905 94.361,-0.508 94.361,6.038 U16.135@86.519,13.88 85.09,15.309 85.09,16.637 87.122,18.669 88.833,18.669 88.859,18.694 89.306,18.694 92.075,21.463 92.075,34.036 v1(98.044,40.005)
  Bottom Layer w0.254: v1(98.044,40.005) 104.267,40.005 105.507,41.245 R90.2@105.507,42.037
PB8: P27.2 U16.139 | length 27.5
  Top Layer w0.254: U16.139@87.753,15.474 U16.139@87.933,15.294 96.774,6.454 96.774,-0.458 99.618,-3.302 99.618,-5.384 P27.2@100.838,-6.604
PB9: P27.1 U16.140 | length 25.2
  Top Layer w0.254: U16.140@88.107,15.828 U16.140@88.287,15.648 97.282,6.653 97.282,-0.127 100.838,-3.683 P27.1@100.838,-4.064
PB12: P26.44 U16.73 | length 36.1
  Top Layer w0.254: P26.44@47.448,42.037 47.448,41.579 50.8,38.227 v1(50.8,29.464) ; v1(57.023,16.383) 58.293,16.383 58.801,15.875 60.789,15.875 U16.73@61.977,17.062 U16.73@62.156,17.242
  Bottom Layer w0.254: v1(50.8,29.464) 50.8,21.59 56.007,16.383 v1(57.023,16.383)
PB13: P26.41 U16.74 | length 39.1
  Top Layer w0.254: P26.41@49.988,44.577 48.768,43.357 48.768,41.275 51.435,38.608 v1(51.435,28.956) ; v1(58.039,15.748) 58.42,15.367 60.988,15.367 U16.74@62.33,16.709 U16.74@62.51,16.888
  Bottom Layer w0.254: v1(51.435,28.956) 51.435,21.844 56.134,17.145 57.277,17.145 58.039,16.383 v1(58.039,15.748)
PB14: P27.43 U16.75 | length 29.2
  Top Layer w0.254: v1(49.022,6.477) 51.943,9.398 55.727,9.398 U16.75@62.684,16.355 U16.75@62.863,16.535
  Bottom Layer w0.254: P27.43@47.498,-4.064 49.022,-2.54 v1(49.022,6.477)
PB15: P27.42 U16.76 | length 30.4
  Top Layer w0.254: v1(51.308,7.874) 52.26,8.826 55.862,8.826 U16.76@63.037,16.002 U16.76@63.217,16.181
  Bottom Layer w0.254: P27.42@50.038,-6.604 51.308,-5.334 v1(51.308,7.874)
PC0: P26.19 U16.26 | length 19.2
  Top Layer w0.254: P26.19@77.928,44.577 76.708,43.357 76.708,40.386 82.144,34.95 82.144,30.158 U16.26@80.682,28.697
PC1: P26.22 U16.27 | length 16.1
  Top Layer w0.254: P26.22@75.388,42.037 75.388,40.944 81.636,34.696 81.636,30.357 U16.27@80.329,29.051
PC2: P26.21 U16.28 | length 19
  Top Layer w0.254: P26.21@75.388,44.577 74.168,43.357 74.168,41.402 81.128,34.442 81.128,30.556 U16.28@79.975,29.404
PC3: P26.24 U16.29 | length 15.9
  Top Layer w0.254: P26.24@72.848,42.037 80.62,34.266 80.62,30.756 U16.29@79.622,29.758
PC4: P26.29 U16.44 | length 18.5
  Top Layer w0.254: P26.29@65.228,44.577 64.008,43.357 64.008,37.805 U16.44@71.923,29.89
PC5: P26.32 U16.45 | length 16.4
  Top Layer w0.254: P26.32@62.688,42.037 62.688,38.418 U16.45@71.702,29.404
PC6: P27.31 U16.96 | length 16.3
  Top Layer w0.254: P27.31@62.738,-4.064 62.738,1.56 U16.96@70.108,8.931 U16.96@70.288,9.11
PC7: P27.30 U16.97 | length 18.6
  Top Layer w0.254: P27.30@65.278,-6.604 64.058,-5.384 64.058,2.173 U16.97@70.462,8.577 U16.97@70.641,8.757
PC8: P27.29 U16.98 | length 14.8
  Top Layer w0.254: P27.29@65.278,-4.064 65.278,2.686 U16.98@70.995,8.403
PC9: P27.28 U16.99 | length 17.1
  Top Layer w0.254: P27.28@67.818,-6.604 66.598,-5.384 66.598,3.298 U16.99@71.349,8.049
PC10: P27.23 SW1.4 U16.111 | length 41
  Top Layer w0.254: P27.23@72.898,-4.064 72.898,-3.302 79.121,2.921 79.121,4.308 U16.111@77.854,5.575
  Bottom Layer w0.254: P27.23@72.898,-4.064 74.168,-5.334 74.168,-7.747 76.422,-10.001 76.422,-28.226 74.93,-29.718 SW1.4@74.422,-29.718
PC11: P27.22 SW1.3 U16.112 | length 40.3
  Top Layer w0.254: P27.22@75.438,-6.604 74.218,-5.384 74.218,-2.744 79.629,2.667 79.629,4.507 U16.112@78.207,5.928
  Bottom Layer w0.254: P27.22@75.438,-6.604 75.438,-7.112 77.819,-9.493 77.819,-28.861 SW1.3@76.962,-29.718
PC12: P27.21 U16.113 | length 12.9
  Top Layer w0.254: P27.21@75.438,-4.064 75.438,-2.286 80.137,2.413 80.137,4.706 U16.113@78.561,6.282
PC13: P26.7 U16.7 | length 25
  Top Layer w0.254: U16.7@87.4,21.979 U16.7@87.579,22.159 88.788,23.368 88.788,37.861 91.821,40.894 91.821,43.23 P26.7@93.168,44.577
PC14: C72.2 U16.8 XT5.1 | length 13.3
  Top Layer w0.254: U16.8@87.046,22.333 U16.8@87.226,22.513 v7(87.884,23.171)
  Bottom Layer w0.254: v7(87.884,23.171) 88.449,23.171 90.17,24.892 92.583,24.892 93.599,23.876 XT5.1@93.599,23.114 ; XT5.1@93.599,21.133 93.828,20.904 C72.2@97.968,20.904
PC15: C73.2 U16.9 XT5.2 | length 14.5
  Top Layer w0.254: U16.9@86.693,22.687 U16.9@86.872,22.866 87.882,23.876 v10(88.138,23.876)
  Bottom Layer w0.254: v10(88.138,23.876) 89.916,25.654 92.71,25.654 93.599,26.543 XT5.2@93.599,28.194 ; XT5.2@93.599,30.201 93.701,30.099 C73.2@97.917,30.099
PD0: P28.3 U16.114 | length 49.4
  Top Layer w0.254: v1(76.327,6.731) 76.454,6.731 76.962,7.239 78.311,7.239 U16.114@79.094,6.456
  Bottom Layer w0.254: P28.3@47.498,33.02 49.276,31.242 49.276,20.701 57.15,12.827 67.437,12.827 73.533,6.731 v1(76.327,6.731) 76.327,6.612 76.319,6.604 v1@76.26,6.664
PD1: P28.4 U16.115 | length 48.6
  Top Layer w0.254: v1(75.692,5.969) 75.692,6.985 76.454,7.747 78.51,7.747 U16.115@79.268,6.989
  Bottom Layer w0.254: P28.4@47.498,30.48 47.498,30.226 48.768,28.956 48.768,20.574 57.023,12.319 67.056,12.319 73.406,5.969 v1(75.692,5.969)
PD2: P27.20 U16.116 编码器.3 | length 241
  Top Layer w0.254: U16.116@79.622,7.342 80.645,6.319 80.645,2.159 76.758,-1.728 76.758,-5.384 P27.20@77.978,-6.604 77.978,-9.398 81.407,-12.827 107.823,-12.827 108.077,-13.081 v1(108.966,-13.081)
  Bottom Layer w0.254: 编码器.3@12.896,74.803 11.049,74.803 9.652,73.406 9.652,68.58 12.446,65.786 14.478,65.786 16.256,64.008 16.256,53.467 18.415,51.308 108.712,51.308 113.411,46.609 113.411,-8.636 v1(108.966,-13.081)
PD3: P27.19 U16.117 | length 13.6
  Top Layer w0.254: P27.19@77.978,-4.064 77.978,-1.27 81.153,1.905 81.153,6.518 U16.117@79.975,7.696
PD4: P27.18 U16.118 | length 16.7
  Top Layer w0.254: U16.118@80.329,8.049 81.661,6.717 81.661,1.651 79.298,-0.712 79.298,-5.384 P27.18@80.518,-6.604
PD5: P27.17 U16.119 | length 13.8
  Top Layer w0.254: P27.17@80.518,-4.064 80.518,-0.254 82.169,1.397 82.169,6.916 U16.119@80.682,8.403
PD6: P27.16 U16.122 | length 17.3
  Top Layer w0.254: U16.122@81.743,9.464 U16.122@81.923,9.284 82.677,8.53 82.677,1.143 81.838,0.304 81.838,-5.384 P27.16@83.058,-6.604
PD7: P27.15 U16.123 | length 14.4
  Top Layer w0.254: U16.123@82.097,9.817 U16.123@82.276,9.638 83.185,8.729 83.185,-3.937 P27.15@83.058,-4.064
PD8: P28.14 U16.77 | length 20.5
  Top Layer w0.254: P28.14@47.498,5.08 49.403,5.08 52.578,8.255 55.998,8.255 U16.77@63.391,15.648 U16.77@63.57,15.828
PD9: P28.15 U16.78 | length 21.8
  Top Layer w0.254: P28.15@47.498,2.54 52.705,7.747 56.197,7.747 U16.78@63.744,15.294 U16.78@63.924,15.474
PD10: P28.16 U16.79 | length 24.3
  Top Layer w0.254: P28.16@47.498,0 47.752,0 49.53,1.778 49.53,3.937 52.832,7.239 56.396,7.239 U16.79@64.277,15.121
PD11: P27.41 U16.80 | length 24.9
  Top Layer w0.254: P27.41@50.038,-4.064 50.038,0.174 U16.80@64.631,14.767
PD12: P27.40 U16.81 | length 27.2
  Top Layer w0.254: P27.40@52.578,-6.604 51.358,-5.384 51.358,0.786 U16.81@64.985,14.413
PD13: P27.39 U16.82 | length 23.4
  Top Layer w0.254: P27.39@52.578,-4.064 52.578,1.311 65.327,14.06 U16.82@65.338,14.06
PD14: P28.1 U16.85 | length 41.4
  Top Layer w0.254: U16.85@66.399,12.999 67.587,14.187 v1(67.587,15.009)
  Bottom Layer w0.254: P28.1@47.498,38.1 50.292,35.306 50.292,29.71 50.267,29.685 50.267,21.234 57.635,13.866 66.444,13.866 v1(67.587,15.009)
PD15: P28.2 U16.86 | length 41
  Top Layer w0.254: U16.86@66.752,12.646 68.349,14.242 v1(68.349,15.009)
  Bottom Layer w0.254: P28.2@47.498,35.56 49.784,33.274 49.784,20.955 57.406,13.333 66.673,13.333 v1(68.349,15.009)
PE0: P26.2 U16.141 编码器.4 | length 145.1
  Top Layer w0.254: 编码器.4@12.89,77.33 14.364,77.33 16.383,75.311 16.383,70.993 18.161,69.215 20.447,69.215 39.243,50.419 100.076,50.419 102.489,48.006 102.489,43.738 P26.2@100.788,42.037 100.788,40.005 96.012,35.229 96.012,19.939 91.059,14.986 89.656,14.986 U16.141@88.64,16.002 U16.141@88.461,16.181
PE1: P26.1 U16.142 | length 35.6
  Top Layer w0.254: U16.142@88.814,16.535 88.814,16.509 89.867,15.457 90.641,15.457 95.504,20.32 95.504,36.322 99.568,40.386 99.568,43.357 P26.1@100.788,44.577
PE2: P26.4 U16.1 | length 25.8
  Top Layer w0.254: U16.1@89.521,19.858 91.44,21.777 91.44,34.925 98.248,41.733 P26.4@98.248,42.037
PE3: P26.3 U16.2 | length 28.1
  Top Layer w0.254: U16.2@89.168,20.212 U16.2@89.347,20.391 90.805,21.849 90.805,35.306 97.028,41.529 97.028,43.357 P26.3@98.248,44.577
PE4: P26.6 U16.3 | length 24.3
  Top Layer w0.254: U16.3@88.814,20.565 U16.3@88.994,20.745 90.297,22.048 90.297,36.068 95.708,41.479 P26.6@95.708,42.037
PE5: P26.5 U16.4 | length 26.7
  Top Layer w0.254: U16.4@88.461,20.919 U16.4@88.64,21.098 89.789,22.247 89.789,36.576 94.488,41.275 94.488,43.357 P26.5@95.708,44.577
PE6: P26.8 U16.5 | length 22.9
  Top Layer w0.254: U16.5@88.107,21.272 U16.5@88.287,21.452 89.314,22.479 89.314,37.498 93.078,41.262 93.078,41.946 P26.8@93.168,42.037
PE7: P28.5 U16.58 | length 21.1
  Top Layer w0.254: P28.5@47.498,27.94 47.752,28.194 63.72,28.194 U16.58@66.926,24.987 U16.58@67.106,24.808
PE8: P28.6 U16.59 | length 21.5
  Top Layer w0.254: P28.6@47.498,25.4 49.784,27.686 63.521,27.686 U16.59@66.573,24.634 U16.59@66.752,24.454
PE9: P28.7 U16.60 | length 22
  Top Layer w0.254: P28.7@47.498,22.86 51.816,27.178 63.368,27.178 66.399,24.147 U16.60@66.399,24.101